# Allegro board FEMA_CBRS_1W_V0P4.brd (continued)
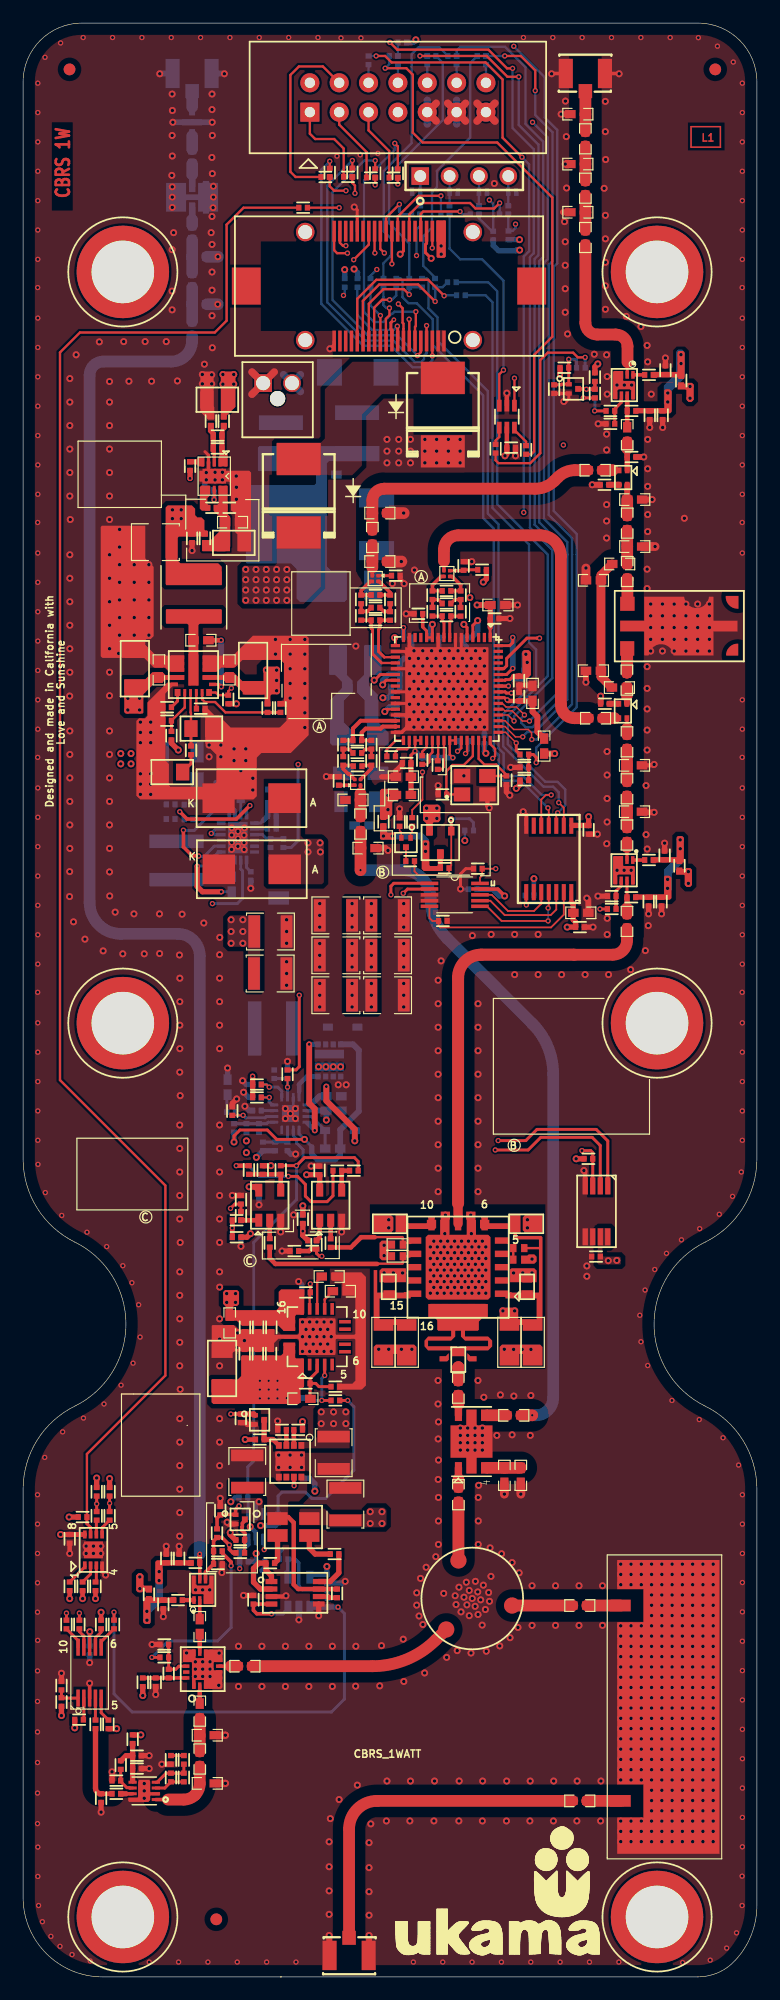
[diagram p0: board, top side]
## Routing (per net, layer and track width the routed paths; a pad name or vN(x,y) marks a point on that pad's centre or on a via; arc(x,y) is an arc through that point) (continued)
VCC_1V8: length 0.9
  TOP w0.457: Q4.2 35.2,99.14 35.18,99.16
  BOTTOM w0.203: R119.1 v2(38.22,98.29)
  vias: v2(8.45,105.82) v2(8.45,104.93) v2(9.34,105.82) v2(9.34,104.93) v2(34.92,101.09) v2(34.92,100.2) v2(35.81,101.09) v2(35.81,100.2)
VCC_3.3V: length 47.9
  TOP w0.152: U84.1 47.46,99.6
  TOP w0.254: v2(5.77,29.86) 5.76,29.85 U78.8 ; 36.17,149.78 v2(36.17,149.73)
  TOP w0.305: 47.46,99.6 47.51,99.6
  TOP w0.381: C257.1 U87.5 ; U79.8 5.02,38.27
  TOP w0.394: R66.1 v2(6.75,31.54) ; R129.1 v2(19.22,46.48) ; R68.1 v2(5.15,32.72) ; R69.1 v2(4.03,32.72) ; R73.1 v2(6.26,32.72)
  TOP w0.457: v2(24.53,69.39) C249.1 25.67,69.37 U86.5 ; C257.1 41.86,131.74 v2(41.7,131.57) ; v2(19.68,64.29) 19.37,63.98 R271.1 ; 47.51,99.6 48.93,99.6 C179.1 v2(48.94,100.36) ; R65.1 v2(47.86,70.76) ; R273.1 v2(24.21,66.7) ; R63.1 v2(4.47,21.54) ; 5.02,38.27 C91.1 v2(3.24,38.27) ; v2(17.92,38.43) 17.92,38.25 18.38,37.8 R100.1 ; R70.1 v2(6.37,43.15) ; v2(49.74,139.52) 49.48,139.27 R38.1 ; R75.1 v2(8.09,21.47) ; R67.1 v2(3.98,39.78) ; 25.25,42.08 v2(25.25,42.01) ; R71.1 v2(7.48,43.1) ; R123.1 v2(24.18,48.03) ; R283.2 v1(14.44,129.62) ; v2(21.45,70.17) R98.1 ; R42.2 v2(10.19,20.93) ; R64.1 v2(3.32,22.61)
  TOP w0.508: U85.5 20.1,68.34 v2(19.56,68.34)
  PWR w0.508: v2(31.13,110.64) 28.88,110.64
  BOTTOM w0.381: v2(20.16,36.63) C44.1 R23.1
  BOTTOM w0.394: v2(17.97,41.1) 18.36,41.48 R22.1 ; R264.1 v2(44.21,95) ; v2(19.66,38.94) 20.13,38.46 U80.5
  BOTTOM w0.457: v2(42.96,150.27) 42.78,150.27 42.77,150.27 R269.1 ; v2(19.56,68.34) 20.29,68.34 C250.1 ; FB10.1 31.84,110.9 31.58,110.64 v2(31.13,110.64) ; 42.97,149.31 42.63,149.31 ; 42.63,149.31 41.14,149.31 40.68,149.77 R268.1 ; 42.63,149.31 42.68,149.37 v2(42.97,149.37) ; v2(5.77,29.86) 5.76,29.85 C89.1 ; R124.1 24.79,43.13 25.25,42.67 v2(25.25,42.01) ; R267.1 28.94,147.42 v2(28.64,147.73) ; v2(26.29,35.5) C167.1 25.06,34.82 U73.5 ; R266.1 v2(27.83,147.68)
  vias: v2(17.29,138.61) v2(17.29,137.77) v2(18.23,138.61) v2(18.23,137.77) v2(36.18,149.01) v2(50.64,61.95) v2(51.38,61.98)
VCC_5V: length 12
  TOP w0.152: U84.14 47.44,93.8
  TOP w0.305: 47.44,93.8 47.44,92.96 ; U74.9 39.54,94.1 41.07,94.1 v2(41.67,93.5)
  TOP w0.457: v2(47.08,90.81) C178.1 47.81,91.23 47.61,91.43 C180.1 47.61,92.79 47.44,92.96 ; R84.2 v2(10.35,24.33)
  BOTTOM w0.381: R219.1 v3(22.82,50.06)
  BOTTOM w0.457: v2(20.55,39.04) 20.55,39.04 21.83,39.04 R21.1 ; v2(41.67,93.5) 41.22,93.5 40.63,94.08 C168.1
  vias: v2(10.1,34.59) v2(10.1,33.58) v2(57.57,95.6) v2(57.57,94.59) v2(57.72,137.57) v2(57.72,136.56) v3(20.49,51.56) v3(20.49,50.8) v3(20.49,50.04) v3(21.25,51.56) v3(21.25,50.8) v3(21.25,50.04) v3(22.01,51.56) v3(22.01,50.8) v3(22.01,50.04)
VCC_5V5: length 1.8
  TOP w0.457: R209.1 12.83,106.71 v2(13.43,106.12) ; R210.1 v2(18.46,110.12)
  vias: v2(12.92,126.9) v2(12.92,126.14) v2(13.68,126.9) v2(13.68,126.14) v2(17.62,59.11) v2(17.62,58.34) v2(18.38,59.11) v2(18.38,58.34)
VCC_5V_DRIV:
  vias: v2(55.77,94.93) v2(55.77,94.16) v2(56.86,98.35) v2(56.87,97.58)
VCC_5V_LNA1:
  vias: v2(10.71,31.62) v2(10.72,30.85) v2(11.78,35.05) v2(11.77,34.28)
VCC_5V_PD:
  vias: v2(55.79,137) v2(55.79,136.23) v2(56.93,140.32) v2(56.94,139.55)
VCC_12V: length 2.5
  BOTTOM w0.305: U1.14 25.37,74.93
  BOTTOM w0.508: 25.37,74.93 25.37,74.93 C42.1 v2(26.24,74.12)
  vias: v2(9.06,110.6) v2(9.06,109.59) v2(10.08,110.6) v2(10.08,109.59) v2(18,91.44) v2(18,90.42) v2(18,89.41) v2(19.02,91.44) v2(19.02,90.42) v2(19.02,89.41) v2(19.27,121.74) v2(19.27,120.85) v2(19.27,119.96) v2(19.27,119.08) v2(19.32,72.31) v2(19.32,71.3) v2(20.15,121.74) v2(20.15,120.85) v2(20.15,119.96) v2(20.15,119.08) v2(21.04,121.74) v2(21.04,120.85) v2(21.04,119.96) v2(21.04,119.08) v2(21.05,113.03) v2(21.93,121.74) v2(21.93,120.85) v2(21.93,119.96) v2(21.93,119.08) v2(21.94,113.03) v2(21.94,112.14) v2(21.94,111.25) v2(22.82,121.74) v2(22.82,120.85) v2(22.82,119.96) v2(22.82,119.08) v2(24.65,98.09) v2(24.65,97.31) v2(25.7,98.09) v2(25.72,97.31)
VCC_12VDC: length 3.1
  BOTTOM w0.635: J2.2 24.01,138.59 ; J2.2 22.54,138.59 ; J2.2 24.01,137.13
VCC_PA: length 1.9
  BOTTOM w0.457: R31.2 C53.2 20.74,71.45 v2(20.18,70.89)
  vias: v2(25.57,78.72) v2(25.8,48.87) v2(25.8,47.85) v2(26.2,78.72) v2(26.84,78.72) v2(26.86,48.87) v2(26.86,47.85) v2(27.47,78.72) v2(27.93,48.87) v2(27.93,47.85) v2(28.47,92.84) v2(28.47,91.82) v2(28.47,90.81) v2(28.47,89.38) v2(28.47,88.37) v2(28.47,87.35) v2(28.47,85.93) v2(28.47,84.91) v2(28.47,83.9) v2(30.14,92.84) v2(30.14,91.82) v2(30.14,90.81) v2(30.14,89.38) v2(30.14,88.37) v2(30.14,87.35) v2(30.14,85.93) v2(30.14,84.91) v2(30.14,83.9)
VCC_RFPAL_1V8: length 5.5
  TOP w0.457: FB9.1 v2(31.18,98.68)
  BOTTOM w0.381: v2(34.82,97.36) v2(34.82,97.99) 34.82,98.17 34.32,98.68 v2(31.94,98.68) v2(31.18,98.68)
VDD_LIN_1.8V: length 18.5
  TOP w0.203: v2(40.05,105.84) 39.92,105.97 U19.47 ; U19.12 U19.11
  TOP w0.254: 34.58,116.82 34.58,116.76 34.92,116.42 U19.12 ; U19.11 v2(35.42,116.99) ; v2(39.34,117.32) 38.92,116.91 U19.4 ; U19.1 40.42,116.73 ; v2(30.38,112.17) 30.42,112.17 30.91,112.65 U19.22
  TOP w0.305: 34.58,116.82 C156.1
  TOP w0.457: FB8.2 40.09,120.92 v2(39.82,120.65) ; C155.1 40.43,118.66 C145.1 40.42,117.49 40.42,116.73
  TOP w0.508: C155.1 v2(39.28,118.67) ; FB12.1 v2(46,105.82)
  BOTTOM w0.457: v2(40.05,105.84) 39.92,105.97 C146.1 ; v2(35.42,116.99) 35.25,116.83 C147.1 ; v2(39.34,117.32) 39.34,116.36 C150.1
  vias: v2(31.58,102.2) v2(31.58,100.96) v2(38.66,119.31)
VDD_LIN_3.3V: length 91.9
  TOP w0.203: U19.28 31.51,109.65 v2(31.3,109.45)
  TOP w0.254: v2(38.14,116.99) 38.42,116.72 U19.5 ; 42.45,112.49 42.39,112.49 42.12,112.22 41.77,112.22 41.71,112.15 U19.58 ; 32.17,115.68 32.15,115.7 v2(32.15,115.84) 32.22,115.77 U19.17 ; v2(31.12,111.76) 31.12,111.86 31.41,112.15 U19.23 ; 31.55,109.65 31.34,109.45 v2(31.3,109.45)
  TOP w0.457: 42.45,112.49 C154.1 42.92,112.55 ; v2(42.68,102.8) 43,103.13 R108.1
  SIG1 w0.394: v2(32.15,115.84) 32.18,115.87 ; v2(42.68,102.8) 41.46,104.02 41.46,108.8 42.1,109.45 42.47,109.45 43.62,110.6 v2(43.62,113.7)
  PWR w0.457: 47.78,114.22 47.27,113.71 43.63,113.71 v2(43.62,113.7)
  PWR w0.508: v2(33.99,167.55) 38.92,167.55 42.2,164.27 42.2,163.3 45.43,160.07 45.43,125.57 47.78,123.22 47.78,114.22
  BOTTOM w0.457: 32.17,115.82 v2(32.15,115.84) ; FB10.2 32.59,111.54 C153.1 31.63,112.68 31.12,112.17 v2(31.12,111.76) ; v2(31.3,109.45) 31.73,109.87 C152.1 ; R256.1 33.77,167.34 v2(33.99,167.55)
  vias: v2(43.51,114.41)
3P3V_REV_PD: length 4.6
  TOP w0.254: U88.5 9.48,16.99
  TOP w0.457: C259.2 8.92,19.14 8.48,18.7 R307.2 ; C259.2 C68.2 9.48,16.99 ; C259.2 R42.1
ANT_CIR_OUT: length 17.8
  TOP w1.016: C109.2 30.23,26.87 arc(33.2,27.46) 35.72,29.15 U3.3
ANT_REF_PWR_DET_OUT: length 6.9
  TOP w0.394: R306.2 C63.1
  TOP w0.457: R74.1 6.26,16.32 arc(6.41,15.98) C63.1
CH1_VCC_5V_SWIT: length 3.8
  TOP w0.305: R84.1 C101.1 R95.1 U22.16
DAC_CLR: length 15.6
  TOP w0.152: U74.5 35.17,91.59 35.42,91.34 R139.1 35.95,90.93 36.1,90.78 45.69,90.78 46.79,91.88 U84.13
DAC_CLR_CLR: length 53.3
  TOP w0.152: U84.2 46.79,101.13 v1(46.35,101.57)
  BOTTOM w0.203: v1(46.35,101.57) 46.35,102.47 45.87,102.95 45.04,102.95 41.55,106.44 41.55,109.24 44.39,112.08 44.39,114.82 43.78,115.42 43.78,123.9 40.62,127.06 40.62,144.85 40.01,145.47 R270.1
FREQ_R: length 3.3
  TOP w0.152: v1(21.3,76.96) 21.07,77.19 R26.2
  BOTTOM w0.254: R26.2 21.07,77.19 v1(21.3,76.96) 22.04,76.96 22.38,76.62 U1.9
I2C_SCL: length 180.6
  TOP w0.203: J1.40 26.91,149.36 27.17,149.1 v1(28.07,149.1)
  TOP w0.254: R70.2 v1(6.37,40.92) R76.2 ; v1(40.86,71.53) 43.7,71.53 44.8,72.62 49.24,72.62 49.95,71.91 U82.2 ; R80.2 v1(3.75,31.46)
  SIG1 w0.203: v1(28.07,149.1) 28.93,149.1 29.48,148.55 29.48,147.01 30.39,146.11 32.04,146.11 33.02,145.13 33.02,144.4 32.86,144.24 32.86,143.07 33.02,142.9 33.02,142.49 28.7,138.18 28.7,117.07 32.21,113.55 32.21,105.91 33.35,104.78 35.69,104.78 37.59,102.87 37.59,99.23 34.64,96.28 34.64,73.31 35.31,72.64 39.74,72.64 v1(40.86,71.53) 40.38,71.04 33.27,71.04 29.63,67.41 29.63,67.03 29.63,63.93 23.11,57.4 18.41,57.4 17.3,56.29 12.84,56.29 11.93,55.37 11.93,51.93 8.35,48.35 8.35,42.9 v1(6.37,40.92) 8.51,38.78 8.51,34.1 6.52,32.11 4.4,32.11 v1(3.75,31.46)
I2C_SDA: length 184
  TOP w0.203: v1(27.93,149.75) 27.67,149.75 27.41,150 J1.39
  TOP w0.254: R71.2 v1(7.48,40.97) R77.2 ; R79.2 v1(4.87,31.46) ; U82.1 50.6,72.31 49.6,73.3 44.47,73.3 43.5,72.34 v1(41.11,72.34)
  SIG1 w0.203: v1(27.93,149.75) 29.19,149.75 29.89,149.05 29.89,147.18 30.56,146.51 33.54,146.51 34.65,145.4 34.65,143.37 29.11,137.82 29.11,117.23 32.62,113.72 32.62,106.08 33.52,105.18 35.86,105.18 38.1,102.94 38.1,99.16 37.97,99.04 37.97,98.92 35.1,96.05 35.1,73.74 35.56,73.28 40.17,73.28 v1(41.11,72.34) 41.43,72.03 41.43,71.17 40.84,70.59 33.45,70.59 30.09,67.22 30.09,64.12 30.09,63.74 23.25,56.9 18.67,56.9 17.57,55.8 13.38,55.8 12.48,54.9 12.48,51.6 8.98,48.1 8.98,42.47 v1(7.48,40.97) 9.02,39.44 9.02,31.51 8.37,30.86 5.47,30.86 v1(4.87,31.46)
INT_VCC: length 18
  TOP w0.457: v1(19.86,77.9) R26.1 R24.1
  TOP w0.508: v2(28.7,72.31) 28.7,73.32 26.24,75.78 v1(26.24,77.01)
  SIG1 w0.508: v1(26.24,77.01) 23.94,77.01 23.05,77.9 v1(19.86,77.9)
  BOTTOM w0.254: 25.21,75.74 24.9,75.43 U1.13
  BOTTOM w0.457: D2.A v2(28.7,72.31)
  BOTTOM w0.508: 25.21,75.74 25.65,76.17 C41.1 v1(26.24,77.01)
LDO_5V_PG: length 5.7
  TOP w0.254: R220.1 v1(25.85,49.86) ; U48.4 v1(26.1,52.02)
  BOTTOM w0.254: R219.2 24.89,50.06 25.09,49.86 v1(25.85,49.86) 25.85,51.77 v1(26.1,52.02)
LIN2_RST: length 104.4
  TOP w0.203: v1(33.41,143.38) 33.41,143.23 33.41,143.22 J1.7
  TOP w0.254: R108.2 C131.1 R254.1 44.15,105.74 44.4,105.49 v1(44.4,105.03)
  SIG2 w0.203: v1(42.46,167) 45.21,164.24 45.21,149.16 44.14,148.08 40.65,148.08 35.95,143.38 v1(33.41,143.38)
  BOTTOM w0.203: v1(42.46,167) 45.14,164.31 45.14,160.84 46.22,159.76 46.22,148.22 45.91,147.91 45.91,126.81 47.91,124.81 47.91,123.05 47.91,123.02 47.91,109.83 44.4,106.32 v1(44.4,105.03)
LIN2_RST_R: length 77
  TOP w0.127: v1(42.68,106.73) 41.75,107.65 U19.49
  TOP w0.203: v1(43.17,157.4) 41.49,159.08 41.49,164.13 40.02,165.6 31.89,165.6 31.33,166.16 v1(30.55,166.16)
  TOP w0.254: R254.2 42.68,106.06 v1(42.68,106.73)
  SIG2 w0.203: v1(43.32,126.67) 45.85,124.15 45.85,109.9 43.87,107.92 42.93,107.92 42.68,107.67 42.68,106.73 v1(42.68,106.73)
  BOTTOM w0.203: v1(43.32,126.67) 43.32,148.81 43.78,149.27 43.78,156.79 v1(43.17,157.4) ; R255.2 v1(30.55,166.16)
LIN2_STATO: length 27
  TOP w0.203: v1(35.41,140.22) J1.3 ; v1(26.53,157.05) R238.2
  BOTTOM w0.203: v1(35.41,140.22) 35.41,139.85 34.79,139.23 33.7,139.23 31.85,141.08 29.44,141.08 25.81,144.72 25.81,156.33 v1(26.53,157.05)
LIN2_STATO_R: length 58.7
  TOP w0.203: R238.1 26.53,154.89 26.92,154.5 v1(27.94,154.5)
  TOP w0.254: 42,111.65 U19.57 41.12,111.66 v1(42,111.66)
  SIG1 w0.203: v1(27.94,154.5) 27.94,152.25 28.87,151.31 35.68,151.31 44.04,142.95 44.04,115.8 43.26,115.02 43.26,115.02 42.9,114.66 42.9,114.65 41.69,113.44 41.69,112.79 42,112.48 v1(42,111.66)
LIN2_TESTSEL: length 25.6
  TOP w0.203: R240.2 v1(30.47,157.11) ; J1.5 34.41,140.53 v1(34.13,140.24)
  BOTTOM w0.203: v1(30.47,157.11) 29.52,157.11 26.78,154.37 26.78,145.04 29.82,142 32.37,142 v1(34.13,140.24)
LIN2_TESTSEL_R: length 53.3
  TOP w0.203: R262.1 v1(30.47,155.01)
  TOP w0.254: U19.60 41.59,113.15 41.85,113.41 41.85,114.04 43.61,115.8 44.47,115.8 44.48,115.8 v1(44.69,115.8)
  SIG1 w0.203: v1(30.47,155.01) 30.47,152.82 31.42,151.87 35.81,151.87 44.69,142.99 v1(44.69,115.8)
LIN2_TXENB: length 25.8
  TOP w0.203: v1(32.16,158.6) 32.43,158.34 R241.2 ; v1(33.99,144.04) 33.99,142.79 33.91,142.72 J1.6
  BOTTOM w0.203: v1(32.16,158.6) 32.16,158.04 29.5,155.38 29.5,144 30.36,143.14 31.17,143.14 31.58,143.55 31.58,143.55 31.87,143.85 31.95,143.85 32.14,144.04 v1(33.99,144.04)
LIN2_TXENB_R: length 62.9
  TOP w0.203: R263.1 v1(32.43,155.08)
  TOP w0.254: v1(42.26,111.05) 41.82,111.05 41.71,111.15 U19.56
  SIG1 w0.203: v1(46.75,132.51) 45.15,134.11 45.15,151.3 44.27,152.17 40.49,152.17 39.37,153.29 34.22,153.29 v1(32.43,155.08)
  SIG2 w0.203: v1(42.26,111.05) 43.33,111.05 45.39,113.11 45.39,123.57 42.7,126.26 42.7,130.53 44.67,132.51 v1(46.75,132.51)
LIN2_WDTEN: length 28.8
  TOP w0.203: v1(34.91,142.84) J1.4 ; R239.2 v1(28.49,157.12)
  BOTTOM w0.203: v1(34.91,142.84) 34.91,140.45 34.7,140.23 34.7,139.93 34.46,139.69 33.89,139.69 32.04,141.54 29.63,141.54 26.32,144.85 26.32,154.95 v1(28.49,157.12)
LIN2_WDTEN_R: length 78.6
  TOP w0.127: v1(43.24,107.26) 42.6,107.26 41.71,108.15 U19.50
  TOP w0.203: R239.1 28.49,155.18 28.72,154.95 v1(28.72,154.28)
  SIG1 w0.203: v1(44.09,160.43) 41.01,157.35 31.78,157.35 28.72,154.29 v1(28.72,154.28)
  BOTTOM w0.203: v1(43.24,107.26) 43.24,107.29 43.63,107.69 44.28,107.69 47.1,110.51 47.1,123.02 47.1,123.05 47.1,124.1 45.08,126.12 45.08,148.26 45.41,148.59 45.41,159.1 v1(44.09,160.43)
PA_CIR_OUT: length 61.5
  TOP w1.016: v3(29.2,95.73) R107.2 R105.2 ; C260.2 v3(44.06,48.58)
  BOTTOM w1.016: v3(44.06,48.58) 44.35,48.58 arc(45.43,49.02) 45.87,50.1 45.87,78.1 arc(45.4,80.46) 44.07,82.45 36.7,89.83 arc(35.63,91.42) 35.26,93.29 arc(34.54,95.02) 32.82,95.73 v3(29.2,95.73)
PA_CIR_OUT_N: length 4.7
  TOP w0.26: L10.1 30.13,106.96 L8.2
  TOP w0.343: 32.27,108.15 U19.31 31.12,108.15 30.94,107.98 29.64,107.98 29.3,107.63 L10.1
PA_CIR_OUT_P: length 5.9
  TOP w0.305: L10.2 27.71,106.96 L12.2
  TOP w0.343: 32.27,108.65 U19.30 29.21,108.65 28.55,107.99 L10.2
PA_COUP_IN: length 22.2
  TOP w1.016: R116.2 R118.2 30.22,127.71 arc(30.52,128.43) 31.24,128.73 44.33,128.73 arc(45.22,128.91) 45.98,129.41 46.29,129.72 arc(46.96,130.17) 47.76,130.33 C61.1
PA_COUP_IN_C: length 1.4
  TOP w0.254: U29.3 51.57,130.33 51.01,130.33
  TOP w1.016: 51.01,130.33 C61.2
PA_COUP_IN_N: length 6.1
  TOP w0.203: U19.20 31.02,113.65
  TOP w0.254: C251.1 30.12,116.64 30.24,116.53 30.24,114.43 31.02,113.65
  TOP w0.305: C251.1 29.26,117.35 L23.2
PA_COUP_IN_P: length 5.3
  TOP w0.203: U19.19 31.25,114.15
  TOP w0.254: C251.2 30.87,116.64 30.76,116.53 30.76,114.65 31.25,114.15
  TOP w0.305: 31.77,117.35 L24.2 C251.2
PA_CS_OUT: length 39.4
  TOP w0.254: R78.1 v1(7.87,31.55)
  BOTTOM w0.254: v1(7.87,31.55) 7.87,24.49 9.44,22.91 26.69,22.91 27.8,24.03 27.8,31.43 v1(27.25,31.98)
  BOTTOM w0.457: v1(27.25,31.98) R130.2 26.34,31.97 U73.1
PA_ENABLE: length 114
  TOP w0.254: R298.1 26.82,67.57 26.31,67.06 24.91,67.06 24.43,67.54 24.43,68.55 23.74,69.24 v1(22.95,69.24)
  TOP w0.394: R296.1 v1(18.45,70.17)
  SIG1 w0.203: v1(34.05,148.89) 32.57,150.37 27.22,150.37 25.66,148.82 25.66,105.17 22.1,101.6 22.1,85.34 28.59,78.85 28.59,75.57 24.83,71.81 23.85,71.81 23.32,71.81 22.95,71.44 v1(22.95,69.24)
  BOTTOM w0.203: R366.1 34.37,151.48 34.05,151.16 v1(34.05,148.89)
  BOTTOM w0.254: v1(18.45,70.17) 19.51,70.17 20.44,69.24 v1(22.95,69.24)
PA_RFPAL_OUT_N: length 2.8
  TOP w0.254: C252.1 36.27,117.32 36.42,117.17 U19.9
  TOP w0.26: R111.1 35.43,117.7 C252.1
PA_RFPAL_OUT_P: length 2.7
  TOP w0.254: C252.2 37.02,117.29 36.92,117.19 U19.8
  TOP w0.26: C252.2 R113.1 37.86,117.71
PA_TEMP_SNS: length 103.6
  TOP w0.203: v1(31.91,148.18) J1.30
  TOP w0.254: U82.3 49.3,70.76 R65.2 49.29,71.3 49.11,71.48 v1(48.36,71.48)
  SIG2 w0.203: v1(48.36,71.48) 47.75,72.09 47.75,94.21 51.49,97.94 51.49,129.24 46.44,134.28 31.66,134.28 29.97,135.97 29.97,146.23 v1(31.91,148.18)
PA_VDS_EN: length 141
  TOP w0.203: J1.8 32.91,142.56 32.92,142.56 32.92,143 32.84,143.08 32.84,144.34 v1(32.47,144.71)
  TOP w0.305: R131.1 v1(17.97,48.69)
  TOP w0.457: Q6.1 19.96,48.69 R131.1
  SIG1 w0.203: v1(27.72,145.45) 27.95,145.67 31.91,145.67 32.47,145.1 v1(32.47,144.71)
  SIG2 w0.203: v1(27.72,145.45) 27.72,132.5 26.47,131.24 3.8,131.24 3.09,130.53 3.09,73.86 11.8,65.15 11.8,50.06 12.69,49.17 17.49,49.17 v1(17.97,48.69)
  BOTTOM w0.203: v1(27.72,145.45) 27.83,145.55 R266.2
PA_VDS_PGOOD: length 43.5
  TOP w0.254: R277.1 23.65,70.17 v1(23.66,70.17) 24.35,70.87 28.67,70.87 29,70.54 R278.1
  BOTTOM w0.254: U1.2 23.38,72.76 23.67,72.47 23.67,72.11 24.23,71.55 24.23,70.75 v1(23.66,70.17) 23.66,70.16 23.66,67.23 19.96,63.53 19.96,44.63 19.44,44.11 R22.2 19.48,41.44 U80.1
PA_VGS_C: length 11.1
  TOP w0.254: 33.42,62.36 33.6,62.54 U70.12 33.96,62.54
  TOP w0.381: FB14.2 21.34,62.99
  TOP w0.394: 30.62,61.67 21.84,61.67 21.34,62.16 21.34,62.99
PA_VGS_CARRIER: length 43
  TOP w0.254: U74.2 35.17,94.1 33.26,94.1 v1(32.89,93.73) ; R101.1 R295.1 18.32,66.85 v1(17.95,66.47)
  SIG1 w0.203: v1(17.95,66.47) 18.89,67.42 28.17,67.42 32.15,71.39 32.15,92.98 v1(32.89,93.73)
PA_VGS_P: length 4.7
  TOP w0.254: 33.49,63.53 33.66,63.69 U70.11 33.96,63.69
  TOP w0.381: FB15.2 28.37,63.1 28.63,63.36
  TOP w0.394: 28.63,63.36 29.25,63.98 30.42,63.98
PA_VGS_PEAK: length 44.2
  TOP w0.254: v1(31.83,93.6) 31.83,94.34 32.08,94.6 35.16,94.6 U74.1 ; v1(25.85,62.33) 25.65,62.33 25.39,62.59 R102.1
  TOP w0.394: R102.1 24.92,62.95 24.75,62.79 R297.1
  SIG1 w0.203: v1(31.83,93.6) 32.59,94.36 33.27,94.36 34,93.63 34,72.48 25.85,64.33 v1(25.85,62.33)
PSU_PGOOD: length 154
  TOP w0.203: v1(31.26,149.12) 30.91,149.46 J1.32
  SIG2 w0.203: v1(20.86,36.96) 21.26,37.36 21.26,42.27 19.96,43.56 12.83,43.56 11.29,45.09 11.29,64.24 2.51,73.03 2.51,132.38 3.32,133.2 16.36,133.2 19.49,136.33 19.49,147.06 21.02,148.59 25.86,148.59 27.56,150.29 31.02,150.29 31.26,150.05 v1(31.26,149.12)
  BOTTOM w0.127: 20.78,37.64 20.78,37.05 20.86,36.97 v1(20.86,36.96)
  BOTTOM w0.152: U80.4 20.78,37.64
RF_DET_REV_OUT: length 1
  TOP w0.305: U88.7 8.91,15.84
  TOP w0.457: 8.91,15.84 R306.1
RX_ATTN_IN: length 2.9
  BOTTOM w1.016: R293.2 R294.2 C126.1
RX_LNA_DIS: length 6.5
  TOP w0.305: R103.2 18.15,36.68 17.85,36.98 v1(17.85,37.36) 17.21,38 R303.2 16.48,37.71 R160.2 R161.1 15.79,35.02 U21.6
RX_RF_ENB: length 165.2
  TOP w0.305: R303.1 16.78,39.68 R104.1 17.1,40.01 18.36,40.01 Q3.1 18.39,40.44 v1(18.69,40.74)
  SIG2 w0.203: v1(18.69,40.74) 18.69,42.41 17.94,43.15 12.61,43.15 10.76,45.01 10.76,63.35 1.87,72.24 1.87,134.04 3.14,135.31 17.59,135.31 19.05,136.76 19.05,147.32 20.74,149.01 25.62,149.01 27.33,150.72 34.26,150.72 37.08,153.54 39.12,153.54 41.05,151.61 v1(42.61,151.61)
  BOTTOM w0.203: R363.2 41.99,151.04 R269.2 42.36,151.02 42.61,151.28 v1(42.61,151.61)
SPI_APD_EN: length 21.8
  TOP w0.203: U87.1 v1(42.52,138.29)
  SIG1 w0.203: v1(30.61,147.69) 31.38,146.92 38.27,146.92 42.52,142.67 v1(42.52,138.29)
  BOTTOM w0.203: R189.1 30.06,147.14 v1(30.61,147.69)
SPI_DAC_CLK: length 8.8
  TOP w0.152: U84.12 46.14,92.33 45.66,91.85 41.67,91.85 40.43,93.09 U74.7
SPI_DAC_EN: length 8.9
  TOP w0.152: U84.11 45.49,92.51 v1(45.43,92.46) ; v1(45.43,91.34) 41.41,91.34 40.14,92.61 U74.6
  BOTTOM w0.127: v1(45.43,92.46) v1(45.43,91.34)
SPI_DAC_MOSI: length 7.1
  TOP w0.152: U74.8 40.56,93.6 41.95,92.2 44.21,92.2 44.84,92.83 U84.10
SPI_ENABLE: length 46.6
  TOP w0.203: R305.1 43.97,131.71 44.22,131.96 44.22,140.3 45.8,141.88 45.8,153.91 41.03,158.67 34.57,158.67 33.72,159.53 33.72,164.54 33.16,165.1 v1(31.33,165.1)
  BOTTOM w0.203: R248.1 31.68,165.45 v1(31.33,165.1)
SPI_ENABLE_LVL: length 54.3
  TOP w0.152: v1(45.42,101.12) 45.42,101.05 45.49,100.98 45.49,100.61 U84.4
  BOTTOM w0.203: R191.1 32.66,146.91 32.83,146.74 32.83,145.29 33.35,144.77 34.06,144.77 35.45,143.38 35.45,141.16 39.81,136.8 39.81,126.19 40.73,125.27 40.73,106.1 41.17,105.67 41.17,105.62 41.17,105.62 41.17,103.92 41.61,103.47 43.06,103.47 v1(45.42,101.12)
SPI_ENABLE_R: length 74.6
  TOP w0.127: U19.52 41.97,109.15 v1(42.49,108.64)
  TOP w0.203: v1(31.74,167.34) 32.37,166.71 40.26,166.71 41.88,165.09 v1(42.36,165.09)
  BOTTOM w0.203: v1(31.74,167.34) R256.2 32.43,167.33 R257.2 ; 42.49,108.72 42.49,109.03 45.8,112.35 45.8,123.41 43.86,125.36 43.86,148.76 44.19,149.1 44.19,158.09 42.36,159.93 v1(42.36,165.09)
  BOTTOM w0.254: v1(42.49,108.64) 42.49,108.72 42.47,108.74
SPI_MISO: length 24.6
  BOTTOM w0.203: R249.1 36.02,166.9 34.21,166.9 33.62,166.31 33.62,158.62 31.21,156.21 31.21,150.99 31.85,150.35 31.85,148.91 31.8,148.87 31.8,148.85 31.18,148.23 R190.1
SPI_MISO_R: length 71.7
  TOP w0.127: U19.54 41.48,110.15 41.8,109.84 42.69,109.84 v1(43.38,109.15)
  BOTTOM w0.203: v1(43.38,109.15) 43.1,108.87 43.1,108.48 43.49,108.09 44.08,108.09 46.69,110.71 46.69,123.01 46.69,123.05 46.69,123.79 44.67,125.82 44.67,148.43 45,148.76 45,158.75 43.48,160.28 43.48,165.18 41.71,166.95 37.82,166.95 37.51,166.64 R259.2
  BOTTOM w0.254: 43.37,109.2 43.37,109.16 v1(43.38,109.15)
SPI_MOSI: length 22.2
  BOTTOM w0.203: R247.1 36.32,165.56 36.32,160.61 31.67,155.96 31.67,151.69 33.41,149.95 R186.1
SPI_MOSI_LVL: length 54
  TOP w0.152: v1(45.7,102.24) 45.24,102.24 44.84,101.83 U84.5
  BOTTOM w0.203: v1(45.7,102.24) 44.88,102.24 43.23,103.88 41.96,103.88 41.58,104.26 41.58,105.83 41.19,106.23 41.19,106.23 41.14,106.27 41.14,108.86 41.14,108.86 41.14,125.64 40.22,126.57 40.22,137.18 35.86,141.53 35.86,143.55 35.08,144.33 35.08,146.78 34.95,146.91 R188.1
SPI_MOSI_R: length 71.5
  TOP w0.127: U19.53 41.54,109.65 41.68,109.51 42.32,109.51 43.21,108.63 v1(43.82,108.63)
  TOP w0.203: v1(42.89,164.36) 41.91,164.36 40.11,166.16 v1(34.34,166.16)
  BOTTOM w0.203: R258.2 v1(34.34,166.16) ; v1(42.89,164.36) 42.89,160.2 44.6,158.49 44.6,148.93 44.26,148.6 44.26,125.61 46.27,123.61 46.27,123.05 46.27,123.01 46.27,111.08 v1(43.82,108.63)
SPI_SCLK: length 21.6
  BOTTOM w0.203: R185.1 35.65,146.98 34.63,148.01 34.63,150.57 35.38,151.32 35.38,154.37 35.81,154.8 35.81,156.22 38.68,159.09 38.68,165.54 R246.1
SPI_SCLK_LVL: length 56.3
  TOP w0.152: U84.3 46.14,100.56 v1(46.26,100.68)
  BOTTOM w0.203: R187.1 40.25,146.58 41.03,145.81 41.03,127.39 45.4,123.03 45.4,112.52 41.95,109.07 41.95,106.62 45.2,103.37 46.26,103.37 46.92,102.71 46.92,101.34 v1(46.26,100.68)
SPI_SCLK_R: length 69.9
  TOP w0.127: v1(44.02,107.04) 44,107.06 44,107.62 43.72,107.9 42.46,107.9 41.7,108.65 U19.51
  TOP w0.203: v1(44.32,163.16) 44.32,164.91 43.07,166.16 v1(41.68,166.16)
  BOTTOM w0.203: R246.2 v1(41.68,166.16) ; v1(44.32,163.16) 44.32,161.05 45.82,159.56 45.82,148.42 45.48,148.09 45.48,126.48 47.5,124.46 47.5,123.05 47.5,123.02 47.5,110.08 44.46,107.04 v1(44.02,107.04)
TRX_CNTRL: length 3.8
  TOP w0.254: R97.1 R96.2 R95.2 13.21,26.61 13.48,26.87 U22.14
TRX_SWIT_CNTRL: length 177.2
  TOP w0.203: R304.1 40.89,131.19 41.14,130.94 43.89,130.94 44.76,131.8 44.76,139.86 45.39,140.49 47.59,140.49 48,140.09 v1(48.64,140.09)
  TOP w0.254: R96.1 v1(11.14,27.64)
  TOP w0.305: R160.1 17.23,36.66 18,35.89 v1(18,35.56)
  SIG2 w0.203: v1(48.64,140.09) 48.64,138.94 49.57,138.01 49.57,136.59 51.14,135.02 59.32,135.02 60.07,134.27 60.07,78.89 52.7,71.51 52.7,58.7 50.23,56.24 37.3,56.24 32.77,51.7 32.77,44.62 22.82,34.67 18.3,34.67 18.01,34.97 v1(18,35.56)
  BOTTOM w0.254: v1(18,35.56) 18,30.23 16.83,29.06 12.56,29.06 v1(11.14,27.64) ; R300.1 v1(48.64,140.09)
TRX_SWIT_CNTRL_LVL: length 19.7
  TOP w0.203: U87.3 41.2,138.63 v1(41.57,138.99)
  BOTTOM w0.203: R361.2 36.91,149.5 37.84,148.56 39.73,148.56 41.57,146.72 v1(41.57,138.99)
TX_ATTN_IN: length 3.5
  TOP w1.016: CON2.1 D4.2 C58.1
TX_ATTN_IN_C: length 3
  TOP w1.016: C58.2 R36.2 R34.1
TX_ATTN_OUT_C: length 3
  TOP w1.016: C59.1 R37.2 R34.2
TX_CPLLR_OUT: length 2.7
  TOP w0.508: U29.2 R50.2
  TOP w1.016: R50.2 R48.2
TX_CPLR2_OUT: length 1.4
  TOP w0.254: U32.2 52.26,108.72 52.26,107.96
  TOP w1.016: 52.26,107.96 C67.2
TX_CPLR_3_IN: length 1.7
  TOP w0.635: U4.2 37.67,49.56
  TOP w1.016: 37.67,49.56 37.67,50.26 C78.2
TX_CPLR_3_OUT: length 1.7
  TOP w0.635: U4.1 37.67,43.05
  TOP w1.016: 37.67,43.05 C77.1
TX_CPLR_ATTN: length 2.8
  TOP w1.016: R287.2 R289.1 C67.1
TX_CPLR_PORT: length 0.9
  TOP w0.508: R35.1 U29.4
TX_DELY_BYPAS: length 11.5
  TOP w0.762: R43.1 50.01,112.47 R367.2 R368.2 50.01,121.24 R44.2
TX_DELY_IN: length 2.9
  TOP w1.016: R48.1 R49.2 R44.1
TX_DELY_IN_R: length 2.2
  TOP w1.016: U30.1 52.29,120.9 R47.1
TX_DELY_OUT: length 4.2
  TOP w1.016: 52.25,114.94 R46.2 52.28,112.85 U30.4
TX_DRI_EN: length 48.1
  TOP w0.254: R166.1 v1(49.92,92.37) ; R40.2 v1(48.47,136.58)
  SIG2 w0.203: v1(48.47,136.58) 48.47,132.88 51.89,129.46 51.89,97.74 50.54,96.39 50.54,92.99 v1(49.92,92.37)
TX_DRIVER_IN: length 2.7
  TOP w1.016: R287.1 R288.1 C66.2
TX_PA_IN: length 38.8
  TOP w0.394: 37.64,65.07 U70.8
  TOP w0.8: U70.8 37.64,66.9
  TOP w1.016: 47.68,88.42 51.04,88.42 arc(51.9,88.78) 52.26,89.64 C207.1
  TOP w1.04: 37.64,66.9 37.64,86.42 arc(38.23,87.83) 39.64,88.42 47.68,88.42
TX_PA_RFPAL_OUT: length 29.5
  TOP w0.305: 36.42,122.47 T1.2
  TOP w1.016: 36.42,122.47 36.42,123.46 arc(36.78,124.33) 37.65,124.7 44.73,124.7 arc(46.01,124.17) 46.54,122.89 46.54,110.06 arc(46.88,109.22) 47.72,108.87 C69.1
TX_PA_RFPAL_OUT_C: length 1.4
  TOP w0.254: U32.4 51.18,108.87
  TOP w1.016: 51.18,108.87 C69.2
TX_PREDRI_OUT_C: length 2.4
  TOP w0.457: U29.1 C221.1 52.28,132.21
  TOP w1.016: C203.2 52.28,132.21
TX_PREDRV_EN: length 2.1
  TOP w0.254: R163.1 v1(49.46,135.46)
  BOTTOM w0.254: R39.2 49.48,135.48 v1(49.46,135.46)
TX_RF_ENB: length 25.6